# Altium PCB GPRS-ADM2483-V1.0_______中科院TF卡.PcbDoc (part 2 of 3)
Units mm, origin at the board's own origin, x right, y up, seen from the top; angles counter-clockwise.
Board outline 138.3 x 139.73 mm, 2 copper layers (Top Layer, Bottom Layer); 324 components, 205 nets, 988 pads, 414 vias.
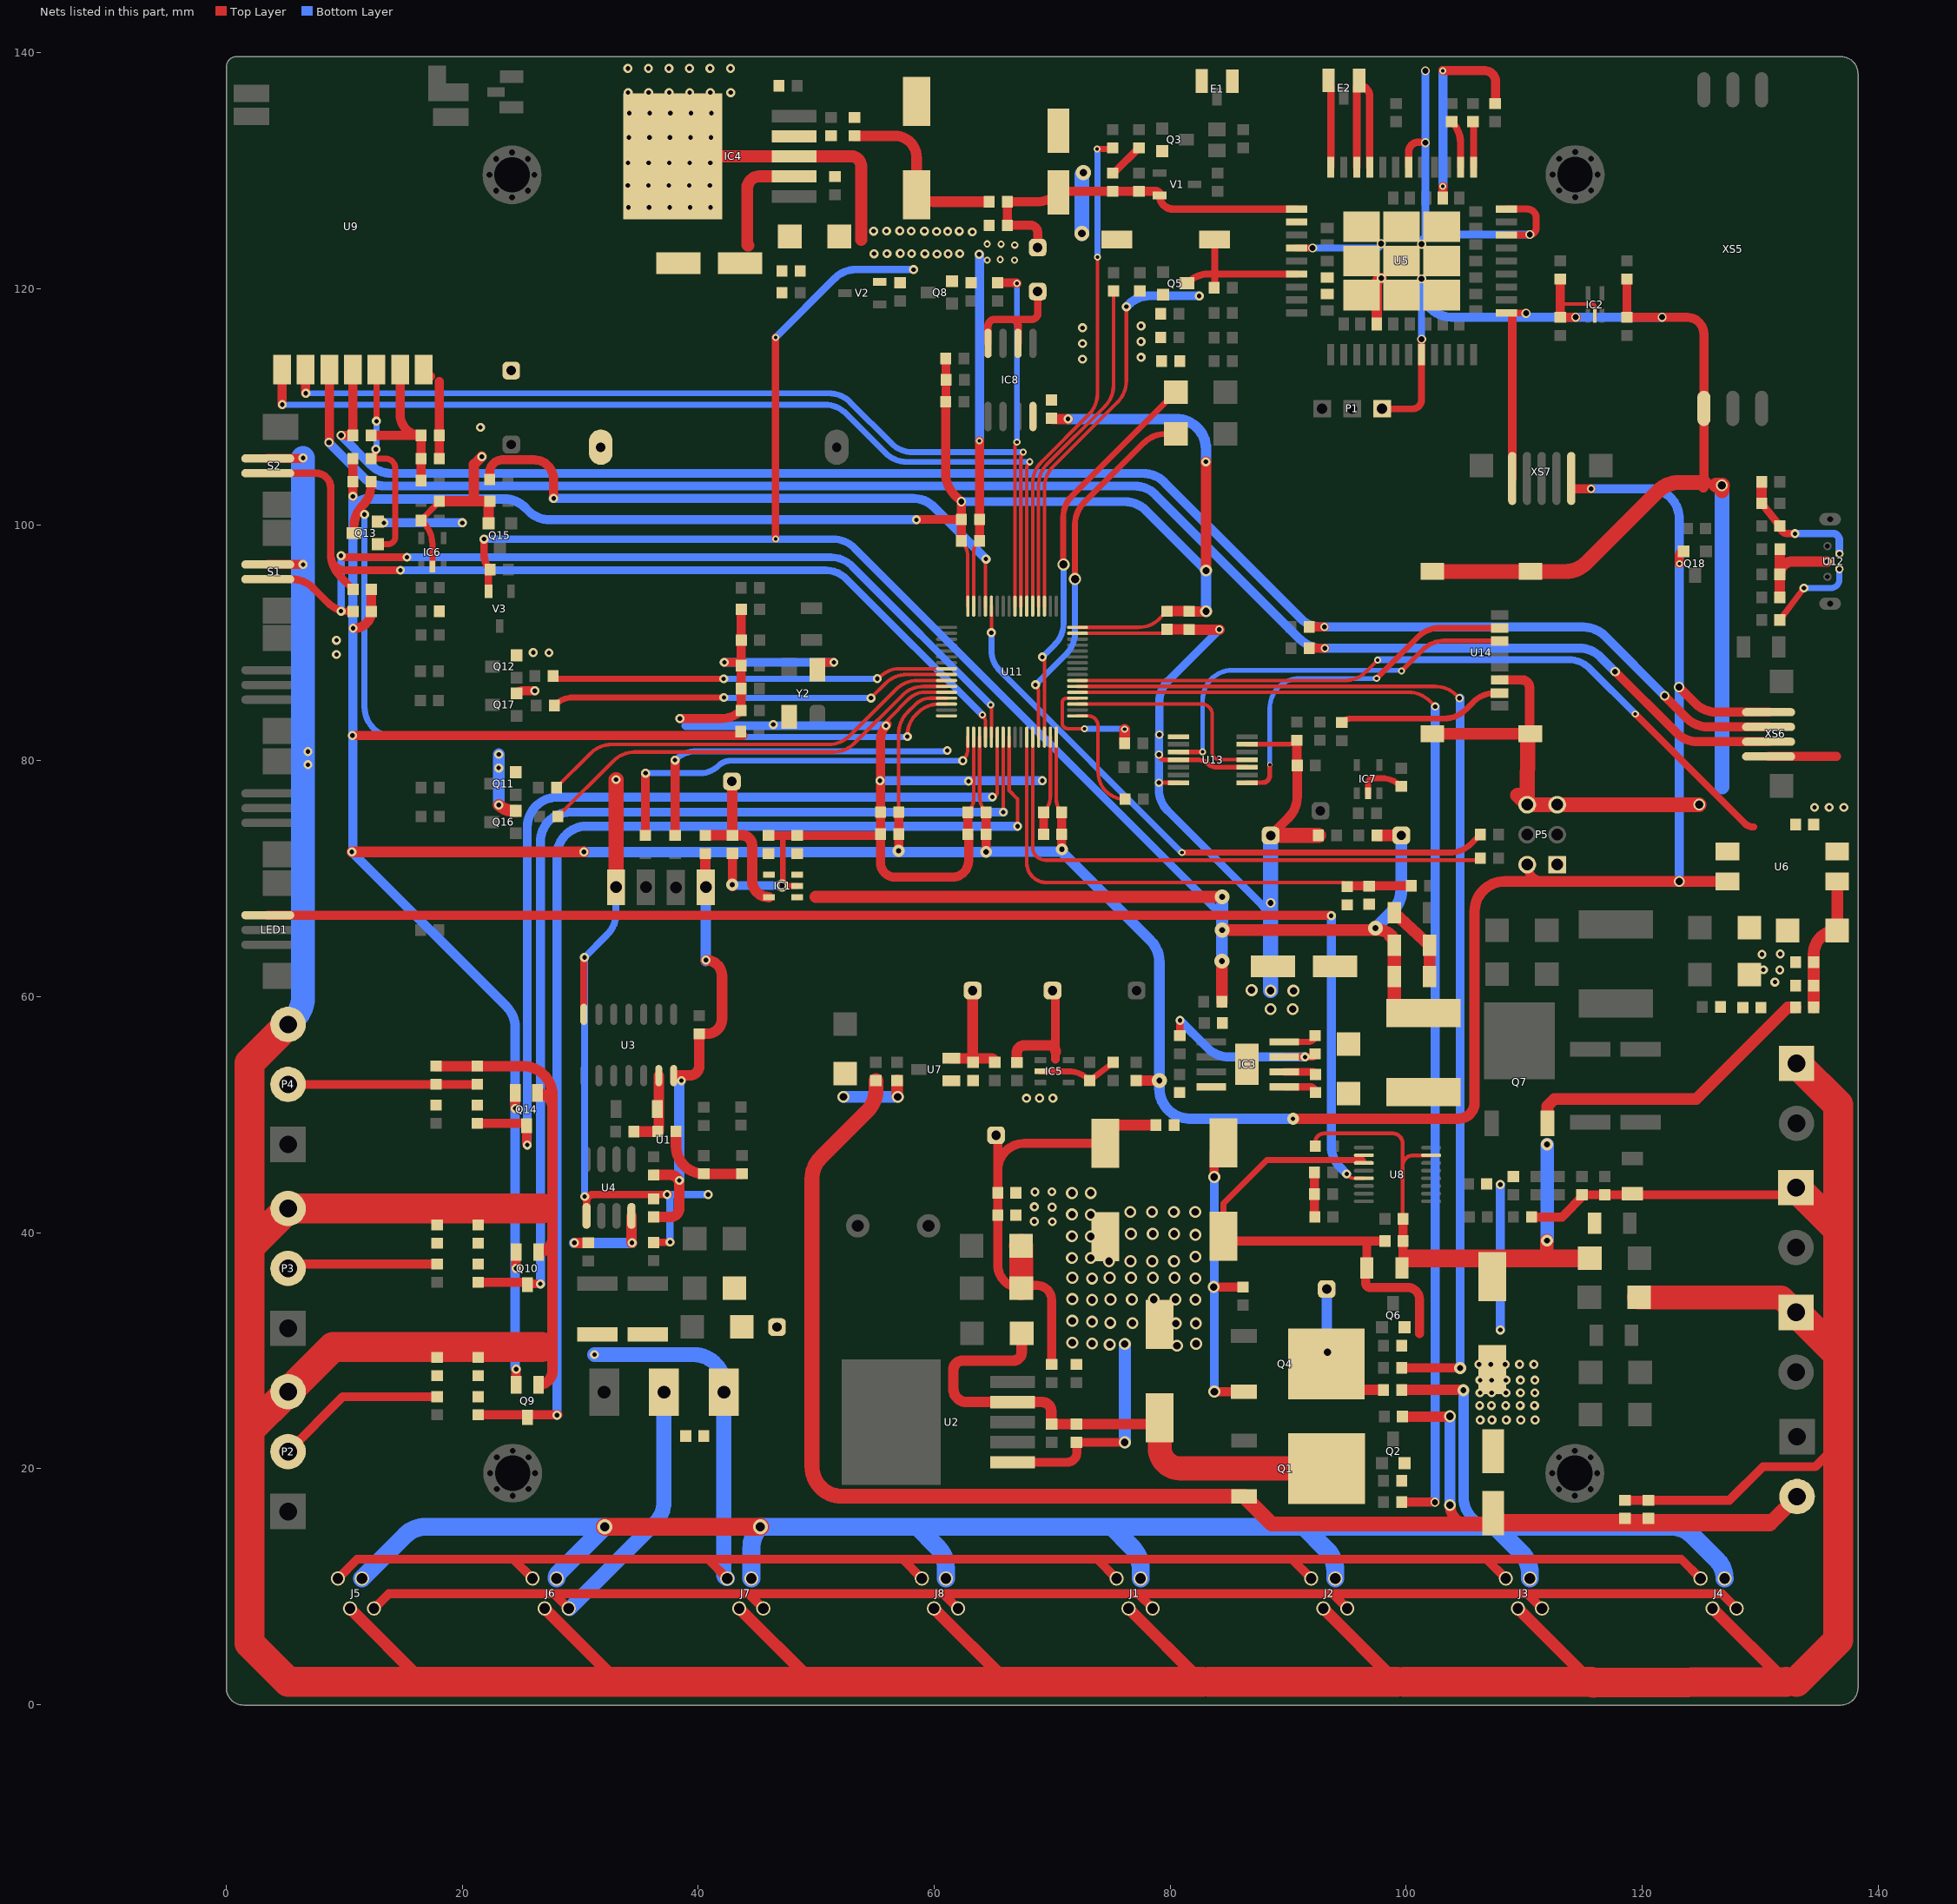
[diagram p2: the nets of this part, all layers, seen from the top]

## Via types
v1: diameter 0.762, hole 0.381, Top Layer to Bottom Layer, 221 vias
v2: diameter 1.016, hole 0.635, Top Layer to Bottom Layer, 61 vias
v3: diameter 0.6, hole 0.3, Top Layer to Bottom Layer, 41 vias
v4: diameter 0.762, hole 0.508, Top Layer to Bottom Layer, 21 vias
v5: diameter 3, hole 2.3, Top Layer to Bottom Layer, 16 vias
v6: diameter 0.7, hole 0.4, Top Layer to Bottom Layer, 15 vias
v7: diameter 1.27, hole 0.635, Top Layer to Bottom Layer, 7 vias
v8: diameter 1.27, hole 0.508, Top Layer to Bottom Layer, 5 vias
v9: diameter 1.016, hole 0.457, Top Layer to Bottom Layer, 5 vias
v10: diameter 1.016, hole 0.508, Top Layer to Bottom Layer, 4 vias
v11: diameter 0.8, hole 0.5, Top Layer to Bottom Layer, 4 vias
v12: diameter 1.27, hole 0.762, Top Layer to Bottom Layer, 2 vias
v13: diameter 0.762, hole 0.457, Top Layer to Bottom Layer, 2 vias
v14: diameter 0.9, hole 0.6, Top Layer to Bottom Layer, 2 vias
v15: diameter 1, hole 0.7, Top Layer to Bottom Layer, 2 vias
v16: diameter 1.021, hole 0.7, Top Layer to Bottom Layer, 2 vias
v17: diameter 1.016, hole 0.381, Top Layer to Bottom Layer, 1 vias
v18: diameter 1.016, hole 0.6, Top Layer to Bottom Layer, 1 vias
v19: diameter 1.012, hole 0.6, Top Layer to Bottom Layer, 1 vias
v20: diameter 0.4, hole 0.3, Top Layer to Bottom Layer, 1 vias

## Nets (pads, with @x,y where several pads share a name; then routed paths per layer and width w, separated by ;. In a path a pad name is that pad's centre, name@x,y a point inside that pad or via, vN(x,y) a via of type N, cw(c..) or ccw(c..) an arc to the next point about the centre after c; other vN are vias at no path point) (continued)
3.3V: C58.2 C59.1 C62.1 C66.2 C67.2 C73.2 C74.2 C75.1 C76.1 C77.1 C78.1 IC8.8 P5.1 P5.2 Q9.2 Q10.2 Q14.2 Q18.2 R34.1 R46.1 R64.2 R77.2 R78.2 R96.2 R97.2 R98.2 R108.1 U6.4 U11.13 U11.19 U11.32 U11.48 U11.64 XS6.1 XS7.5 | length 503
  Top Layer w0.305: C59.1@56.991,75.635 56.991,82.29 cw(c59.531,82.29) 57.735,84.086 58.428,84.779 cw(c59.672,83.535) 59.672,85.294 U11.13@61.049,85.294 ; C67.2@62.3,98.633 cw(c60.97,97.305) 62.849,97.305 U11.64@62.849,93.094 ; U11.19@63.849,81.994 63.849,76.953 ccw(c65.735,76.953) C74.2@64.401,75.619 ; U11.32@70.349,81.994 70.349,76.746 ccw(c71.951,76.746) C77.1@70.818,75.613 ; U11.48@72.149,91.294 77.31,91.294 ccw(c77.31,93.834) 79.106,92.038 C76.1@79.738,92.67
  Top Layer w0.762: v1(10.697,82.129) R108.1@43.775,82.129 ; v9@56.991,72.27 C59.1@56.991,75.635 ; v1@58.55,100.42 cw(c58.602,100.368) 58.602,100.441 C66.2@62.299,100.441 ; R98.2@60.972,110.416 60.972,104.335 ccw(c63.512,104.335) 61.716,102.539 v11(62.299,101.956) C66.2@62.299,100.441 ; R98.2@60.99,110.416 R96.2@60.99,114.084 ; C67.2@62.299,98.634 C66.2@62.299,100.441 ; v9(64.401,72.27) C74.2@64.401,75.619 ; v9@70.818,72.497 C78.1@70.818,73.756 C77.1@70.818,75.613 ; P5.2@110.262,71.184 ccw(c111.683,71.184) 111.683,69.763 ; 114.363,103.048 v6(115.674,103.048) ; v14(123.139,86.233) 124.52,84.852 ccw(c126.316,86.648) 126.316,84.108 XS6.1@130.724,84.108 ; v3(123.165,96.693) 123.165,97.384 cw(c123.52,97.384) Q18.2@123.52,97.739
  Top Layer w0.8: v1@10.728,102.403 R78.2@10.728,103.647 R77.2@10.728,105.6 ; v1(10.745,91.229) 10.876,91.229 ccw(c10.876,92.642) R34.1@12.29,92.642 R46.1@12.29,94.514 ; v1(24.486,50.524) Q14.2@24.486,51.832 ; Q9.2@24.564,27.112 v1(24.564,28.425) ; v1(24.564,36.962) Q10.2@24.564,38.348
  Top Layer w0.889: v1(10.648,72.266) v1(30.318,72.266) ; C58.2@69.934,109.026 ccw(c70.087,109.179) 70.087,108.963 v1(71.346,108.963) ; R64.2@77.126,52.887 v8(79.087,52.887) ; C76.1@79.738,92.67 81.569,92.67 cw(c81.569,92.607) C75.1@81.613,92.651 v18@83.122,92.651 ; v1(83.027,105.334) cw(c82.994,105.301) 83.041,105.301 v19(83.041,96.114) ; v17(90.419,49.655) 104.45,49.655 ccw(c104.45,51.009) 105.803,51.009 105.803,67.223 cw(c108.343,67.223) 108.343,69.763 111.683,69.763 v14(123.15,69.763) U6.4@127.239,69.763
  Bottom Layer w0.762: 25.34,101.439 25.62,101.159 ccw(c27.416,102.955) 27.416,100.415 v1(58.492,100.415) ; v11(62.299,101.956) 76.147,101.956 cw(c76.147,99.416) 77.943,101.212 v19(83.041,96.114) ; v6(115.674,103.048) 120.61,103.048 cw(c120.61,100.508) 123.133,100.805 cw(c120.61,100.508) 123.15,100.508 v14(123.15,69.763)
  Bottom Layer w0.8: v1(10.648,72.266) v1@10.728,72.187 ; v1(10.728,102.403) 10.728,100.979 ; v1(24.564,28.425) 24.486,28.503 v1(24.486,50.524) 24.486,57.377 ccw(c21.946,57.377) 23.742,59.173 v1@10.728,72.187 ; 25.34,101.439 ccw(c23.544,99.643) 23.544,102.183 11.932,102.183 ccw(c11.932,100.979) 10.728,100.979 ; v1@10.728,72.187 10.728,100.979
  Bottom Layer w0.889: v1(30.318,72.266) 56.989,72.261 v9@64.401,72.261 ; v9(64.401,72.27) 70.818,72.27 78.343,64.744 cw(c76.547,62.948) 79.087,62.948 v8(79.087,52.887) 79.087,52.195 ccw(c81.627,52.195) 81.627,49.655 v17(90.419,49.655) ; v1(71.346,108.963) 80.501,108.963 cw(c80.501,106.423) 83.041,106.423 83.041,105.334 v1(83.027,105.334) ; v18@83.033,92.67 v18(83.041,92.661) v19(83.041,96.114)
  other v9: 56.989,72.363 70.828,72.487
3V3: C55.1 C56.1 R76.2 R89.1 U9.6 | length 14.8
  Top Layer w0.762: R89.1@12.268,107.564 C55.1@16.51,107.564 ; U9.6@14.729,113.16 14.729,109.345 ccw(c16.51,109.345) C55.1@16.51,107.564 ; R76.2@16.51,103.647 C55.1@16.51,107.564
4V: 4V.1 C18.1 C19.2 R16.1 R53.2 R56.2 U5.34 U5.35 V1.2 | length 32.1
  Top Layer w0.635: V1.2@79.109,127.898 ccw(c80.255,127.898) 80.255,126.751 U5.34@90.717,126.751
  Top Layer w0.762: 4V.1@68.77,123.489 68.77,124.755 ccw(c68.128,124.755) 68.128,125.397 66.225,125.397 ccw(c66.225,125.366) R56.2@66.193,125.366 R53.2@66.193,127.373 68.702,127.373 ccw(c68.702,129.913) 70.498,128.117 C18.1@70.539,128.158 ; C18.1@70.281,128.261 77.357,128.261 R16.1@77.357,128.255 78.751,128.255 cw(c78.751,127.898) V1.2@79.109,127.898
12V: C26.1 IC3.8 Q4.3 R4.2 R33.1 R41.1 | length 26.4
  Top Layer w0.762: v2(83.688,35.392) R33.1@86.17,35.392 ; v2(83.734,44.714) 83.734,46.8 C26.1@84.529,47.596 ; v2(83.746,26.52) Q4.3@86.242,26.52
  Bottom Layer w0.762: v2(83.746,26.52) v2@83.746,44.714
12V_PWR: R11.1 U11.37 | length 101.1
  Top Layer w0.305: U11.37@72.149,85.794 100.2,85.794 cw(c100.2,83.254) 101.996,85.05 v6(102.464,84.582)
  Top Layer w0.762: R11.1@99.635,17.17 102.423,17.17 cw(c102.423,17.101) v4@102.472,17.15
  Bottom Layer w0.762: v4(102.442,17.153) 102.297,17.297 102.464,17.464 v6(102.464,84.582)
485_PWR_EN: R39.1 U11.38 | length 94.4
  Top Layer w0.305: U11.38@72.149,86.294 102.464,86.294 cw(c102.464,83.754) 104.26,85.55 v6(104.517,85.294)
  Top Layer w0.762: R39.1@99.635,28.54 v10@104.599,28.54
  Bottom Layer w0.762: v10(104.579,28.523) 104.579,74.625 v6@104.579,85.294
485RX: R3.1 U11.17 | length 34.6
  Top Layer w0.305: v1(62.425,79.999) ccw(c61.401,81.023) 62.849,81.023 U11.17@62.849,81.994
  Top Layer w0.762: R3.1@35.519,73.678 v1@35.519,78.942
  Bottom Layer w0.508: v1(35.546,78.942) 40.192,78.942 ccw(c40.192,81.111) 41.726,79.578 cw(c42.743,78.561) 42.743,79.999 v1(62.425,79.999) cw(c62.425,79.948) v1@62.461,79.984
485TX: R2.1 U11.16 | length 29.7
  Top Layer w0.762: R2.1@38.037,73.678 v1(38.037,80.043)
  Bottom Layer w0.508: v1(38.037,80.043) 38.052,80.058 cw(c39.848,78.262) 39.848,80.802 61.131,80.802 cw(c61.131,80.747) v1@61.17,80.785
  other v1: 61.111,80.861
+3.3V: C8.1 R1.2 R9.2 R21.1 R23.1 U1.1 U3.14 U4.8 | length 46.8
  Top Layer w0.889: v1@29.591,39.125 29.591,39.126 R21.1@30.679,39.126 ; U4.8@34.342,41.413 34.342,39.176 ccw(c34.387,39.176) v1(34.387,39.131) ; C8.1@36.217,41.325 37.664,41.325 ccw(c37.664,42.057) 38.396,42.057 38.396,44.126 ccw(c37.635,44.126) 37.635,44.888 36.217,44.888 R23.1@36.217,44.873 ; U3.14@38.186,53.32 39.27,53.32 ccw(c39.27,54.14) 40.091,54.14 R9.2@40.091,56.852 40.756,56.852 ccw(c40.756,58.113) 42.017,58.113 42.017,61.738 ccw(c40.658,61.738) v1(40.658,63.098) ; R1.2@40.606,72.125 40.606,69.311 ccw(c40.644,69.311) U1.1@40.644,69.273
  Bottom Layer w0.889: v1(29.5,39.131) v1(34.387,39.131) ; v1(38.403,44.422) v1@38.403,53.036 ; v1@40.644,63.022 U1.1@40.644,69.273
  other v1: 38.579,52.876
+5V: 5V.1 C1.2 C23.2 C24.2 C25.1 IC1.1 IC1.3 L3.2 R40.1 R57.1 R84.1 R100.1 V2.2 V3.2 | length 188
  Top Layer w0.635: v1(21.852,98.783) 21.852,97.438 ccw(c23.62,97.438) R84.1@22.369,96.188 ccw(c22.713,95.844) 22.227,95.844 V3.2@22.227,94.346 ; v3(46.558,98.783) v3(46.558,115.875)
  Top Layer w1.016: 49.93,68.454 v8(84.4,68.454) ; R40.1@84.389,59.558 v8(84.389,63.014) cw(c84.537,63.015) v8@84.432,63.119 ; v8(84.403,65.64) 97.677,65.64 cw(c97.677,64.157) C24.2@98.726,65.206 ; R100.1@97.599,73.66 99.586,73.66 5V.1@99.593,73.667
  Top Layer w1.143: C24.2@98.685,65.165 cw(c97.912,64.393) 99.005,64.393 L3.2@99.005,58.172
  Bottom Layer w0.635: v1(21.852,98.783) v3(46.558,98.783) 51.422,98.783 cw(c51.422,96.243) 53.218,98.039 83.659,67.598 cw(c81.863,65.802) 84.403,65.802 84.403,65.75 v8(84.403,65.64) ; v3(46.558,115.875) 51.56,120.877 cw(c53.357,119.081) 53.357,121.621 v1(58.252,121.621)
  Bottom Layer w1.016: v8(84.389,63.014) 84.389,65.715 cw(c84.439,65.715) v8@84.403,65.75 ; v8@84.403,65.802 v8@84.403,68.454 ; v8(97.408,65.807) 98.849,67.248 ccw(c97.053,69.044) 99.593,69.044 5V.1@99.593,73.667
+12V: J1.1 J2.1 J3.1 J4.1 J5.1 J6.1 J7.1 J8.1 R31.2 | length 171.4
  Top Layer w0.889: R31.2@99.635,26.667 104.838,26.667 cw(c104.838,26.645) v10(104.86,26.645)
  Top Layer w1.524: v12(32.084,15.063) v12(45.268,15.063)
  Bottom Layer w0.889: v10(104.86,26.645) 104.86,17.603 ccw(c107.4,17.603) 107.4,15.063 107.556,15.063
  Bottom Layer w1.524: J5.1@11.501,10.682 15.14,14.322 cw(c16.936,12.526) 16.936,15.066 v12@32.013,15.066 ; J6.1@28,10.682 cw(c28.716,10.682) 28.21,11.189 v12(32.084,15.063) ; J7.1@44.499,10.682 44.499,13.241 cw(c47.039,13.241) 45.243,15.037 v12(45.268,15.063) 58.551,15.063 ; J8.1@60.998,10.682 60.998,11.564 ccw(c58.458,11.564) 60.254,13.36 58.551,15.063 ; J1.1@77.497,10.682 77.497,11.549 ccw(c74.957,11.549) 76.753,13.345 75.036,15.063 ; J2.1@93.996,10.682 93.996,11.335 ccw(c91.456,11.335) 93.252,13.131 91.321,15.063 ; 107.4,15.063 91.321,15.063 ; J3.1@110.495,10.682 110.495,11.071 ccw(c107.955,11.071) 109.751,12.868 107.556,15.063 122.486,15.063 cw(c122.486,12.523) 124.282,14.319 126.341,12.26 ; 58.551,15.063 75.036,15.063 ; 75.036,15.063 91.321,15.063 ; 126.341,12.26 cw(c124.764,10.682) J4.1@126.995,10.682 ccw(c124.764,10.682) 126.341,12.26
+VOUT: C13.1 C14.2 C15.2 Q1.3 R6.2 R50.1 XS2.2 | length 159.7
  Top Layer w0.889: R6.2@99.687,24.402 v2@103.714,24.402 ; v2(103.714,16.901) ccw(c105.322,16.901) 105.322,15.292 105.66,15.292
  Top Layer w1.27: R50.1@55.06,52.887 55.06,52.075 cw(c52.52,52.075) 54.316,50.279 50.386,46.349 ccw(c52.182,44.553) 49.642,44.553 49.642,20.188 ccw(c52.182,20.188) 52.182,17.648 Q1.3@86.269,17.648 88.625,15.292 105.322,15.292 ; 105.66,15.292 130.809,15.292 131.017,15.5 ; C13.1@107.384,16.215 108.099,15.5 131.017,15.5 ; XS2.2@133.14,17.624 131.017,15.5
  Bottom Layer w0.889: v2(103.714,24.43) v2(103.714,16.901) ccw(c103.773,16.901) v2@103.731,16.858
A: F4.2 J1.3 J2.3 J3.3 J4.3 J5.3 J6.3 J7.3 J8.3 R5.2 U1.7 | length 159.8
  Top Layer w0.762: J5.3@9.461,10.682 11.098,12.32 24.322,12.32 ; J6.3@25.96,10.682 24.322,12.32 ; J7.3@42.459,10.682 40.821,12.32 ; J8.3@58.958,10.682 57.321,12.32 ; J1.3@75.457,10.682 73.82,12.32 ; J2.3@91.956,10.682 90.319,12.32 ; J3.3@108.455,10.682 106.818,12.32 ; J4.3@124.955,10.682 123.317,12.32 106.818,12.32 ; 24.322,12.32 40.821,12.32 ; 40.821,12.32 57.321,12.32 ; 57.321,12.32 73.82,12.32 ; 73.82,12.32 90.319,12.32 ; 90.319,12.32 106.818,12.32
  Bottom Layer w1.27: v1(31.209,29.654) 39.634,29.654 cw(c39.634,27.114) 42.174,27.114 U1.7@42.174,26.473 42.174,10.968 ccw(c42.459,10.968) J7.3@42.459,10.682
ANT_PWR_EN: R24.1 U11.53 | length 42.2
  Top Layer w0.305: U11.53@68.349,93.094 68.349,103.524 cw(c70.889,103.524) 69.093,105.32 73.09,109.317 ccw(c71.294,111.113) 73.834,111.113 v3@73.834,122.676
  Top Layer w0.508: v3(73.815,131.848) 74.911,131.848 ccw(c74.911,132.163) R24.1@75.134,131.94
  Bottom Layer w0.508: v3(73.834,122.676) v3@73.834,131.848
AUX: Q13.1 R77.1 U9.5 | length 17.7
  Top Layer w0.508: v1(12.681,106.387) cw(c11.778,106.387) 12.417,105.749 R77.1@12.268,105.6 13.483,105.6 cw(c13.483,104.755) 14.328,104.755 14.328,98.972 cw(c13.703,98.972) 13.703,98.347 Q13.1@12.853,98.347 ; v1(12.729,108.775) U9.5@12.729,113.16
  Bottom Layer w0.508: v1@12.729,106.586 v1(12.729,108.775)
B: F3.2 J1.2 J2.2 J3.2 J4.2 J5.2 J6.2 J7.2 J8.2 R5.1 U1.6 | length 148.7
  Top Layer w0.762: J5.2@12.521,8.142 13.769,9.391 27.776,9.391 ; J6.2@29.02,8.142 29.02,8.147 27.776,9.391 ; J7.2@45.519,8.142 44.27,9.391 ; J8.2@62.018,8.142 60.769,9.391 ; J1.2@78.517,8.142 78.517,8.164 77.29,9.391 ; J2.2@95.016,8.142 93.768,9.391 ; J3.2@111.515,8.142 110.267,9.391 ; J4.2@128.015,8.142 126.766,9.391 110.267,9.391 ; 27.776,9.391 44.27,9.391 ; 44.27,9.391 60.769,9.391 ; 60.769,9.391 77.29,9.391 ; 77.29,9.391 93.768,9.391 ; 93.768,9.391 110.267,9.391
  Bottom Layer w1.27: J6.2@29.091,8.128 36.35,15.386 ccw(c34.554,17.182) 36.967,16.39 ccw(c34.554,17.182) 37.094,17.182 U1.6@37.094,26.473
BAT_V: C54.2 R83.1 R87.2 U11.27 | length 44.4
  Top Layer w0.305: U11.27@67.849,81.994 67.849,71.324 ccw(c69.5,71.324) 69.5,69.674 94.662,69.674 cw(c94.662,69.325) C54.2@95.011,69.325
  Top Layer w0.762: C54.2@95.011,69.325 cw(c95.08,69.325) 95.08,69.395 R83.1@100.436,69.395
BOOT0: R116.2 U11.60 | length 53.3
  Top Layer w0.305: v1@64.849,90.844 U11.60@64.849,93.094
  Top Layer w0.508: v3(81.001,72.212) 103.718,72.212 ccw(c103.718,74.752) 105.514,72.956 R116.2@106.306,73.747
  Bottom Layer w0.508: v1(64.846,90.844) 64.846,89.393 ccw(c67.386,89.393) 65.59,87.597 80.957,72.23 ccw(c81.001,72.274) v3(81.001,72.212)
BOOT1: R115.1 U11.28 | length 48
  Top Layer w0.305: U11.28@68.349,81.994 68.349,72.666 ccw(c69.451,72.666) 69.451,71.564 106.139,71.564 ccw(c106.139,71.73) R115.1@106.306,71.73
CHG_IN: C33.1 C35.2 C36.1 C37.1 D8.2 F1.2 Q7.3 R32.2 R65.2 U8.15 | length 73.5
  Top Layer w0.33: C35.2@92.165,47.47 ccw(c92.302,47.47) C35.2@92.302,47.333 92.302,47.67 cw(c93.031,47.67) 93.031,48.399 98.879,48.399 cw(c98.879,47.58) 99.697,47.58 99.697,45.638 ; R65.2@99.75,41.166 cw(c99.75,41.219) 99.697,41.219 99.697,45.638 ; U8.15@102.123,46.549 100.608,46.549 ccw(c100.608,45.638) 99.697,45.638
  Top Layer w0.762: C37.1@99.65,36.991 ccw(c99.65,37.091) 99.75,37.091 R65.2@99.75,41.166
  Top Layer w1: Q7.3@111.979,49.26 111.979,50.736 112.567,51.324 124.597,51.324 132.352,59.079 R32.2@133.005,59.079
  Top Layer w1.143: v10(111.938,39.323) 111.938,37.933 ccw(c112.099,37.933) 111.985,37.819
  Top Layer w1.524: C37.1@100.13,37.819 107.296,37.819 111.985,37.819 D8.2@115.575,37.819
  Bottom Layer w1.143: v10(111.946,47.466) 111.946,39.357 v10@111.953,39.35
CS: R113.2 U11.33 | length 9.8
  Top Layer w0.3: U11.33@72.149,83.794 73.051,83.794 cw(c73.051,82.957) 73.889,82.957 73.889,79.037 ccw(c76.192,79.037) R113.2@76.192,76.733
CS-CARD: U13.8 U14.2 | length 30.6
  Top Layer w0.4: U13.8@86.512,78.136 87.839,78.136 ccw(c87.839,78.74) 88.443,78.74 v20(88.443,79.657)
  Top Layer w0.5: v3(97.493,86.97) 101.029,90.506 cw(c102.825,88.709) 102.825,91.249 U14.2@107.932,91.249
  Bottom Layer w0.4: v20(88.443,79.657) 88.443,84.43 cw(c90.983,84.43) 90.983,86.97 v3(97.493,86.97)
D0: R110.2 U14.7 | length 14.1
  Top Layer w0.5: R110.2@94.54,83.245 cw(c95.33,82.453) 95.33,83.571 103.249,83.571 ccw(c103.249,86.111) 105.045,84.315 105.71,84.981 cw(c107.506,83.185) 107.506,85.725 U14.7@107.925,85.725
D+: D26.A R104.1 R111.1 U12.3 | length 8.7
  Top Layer w0.889: R104.1@131.676,93.827 131.68,93.827 R111.1@131.68,95.868 ; D26.A@131.68,97.913 R111.1@131.68,95.868 ; U12.3@135.72,96.886 132.782,96.886 ccw(c132.782,95.781) R111.1@131.68,95.868
D-: R103.1 U12.2 | length 7.7
  Top Layer w0.508: R103.1@131.676,91.918 v1(133.711,94.625)
  Bottom Layer w0.508: v1(133.711,94.625) 135.997,94.625 ccw(c135.997,95.348) 136.71,95.229 ccw(c135.997,95.348) 136.72,95.348 U12.2@136.72,96.236
DI: U13.3 U14.3 | length 34
  Top Layer w0.4: U13.3@80.721,80.736 v3(82.753,80.736) ; v3(99.617,87.605) 101.418,89.406 cw(c103.214,87.61) 103.214,90.15 U14.3@107.932,90.15
  Bottom Layer w0.4: v3(82.753,80.736) 82.753,85.129 cw(c85.293,85.129) 85.293,87.669 99.46,87.669 cw(c99.46,87.448) v3(99.617,87.605)
END_CHG: LED1.1 U8.5 | length 114
  Top Layer w0.305: v1@94.932,44.906 ccw(c95.675,45.649) 95.675,44.599 U8.5@96.423,44.599
  Top Layer w0.762: LED1.1@3.516,66.9 v1@93.597,66.9
  Bottom Layer w0.762: v1@93.659,66.862 93.659,47.33 ccw(c96.199,47.33) 94.403,45.534 v1(94.966,44.971)
  other v1: 93.659,66.862
EX_POW: R42.2 U6.3 U11.39 | length 63.6
  Top Layer w0.305: U11.39@72.149,86.794 94.81,86.794 ccw(c94.81,89.334) 96.606,87.538 v3(97.587,88.519)
  Top Layer w0.6: v3(119.431,83.947) 128.683,74.694 ccw(c129.464,75.475) 129.464,74.371
  Bottom Layer w0.6: v3@97.587,88.562 113.763,88.562 cw(c113.763,86.022) 115.559,87.818 v3(119.431,83.947)
GND: C1.1 C2.1 C3.1 C4.2 C5.2 C6.1 C7.1 C8.2 C9.2 C10.1 C11.1 C12.2 C13.2 C14.1 C15.1 C16.2 C17.1 C18.2 C19.1 C20.2 C22.1 C23.1 C24.1 C25.2 C26.2 C27.2 C28.1 C29.2 C30.1 C31.1 C32.1 C33.2 C34.2 C36.2 C37.2 C38.2 C39.1 C40.1 C42.1 C43.1 C44.1 C45.1 C46.1 C47.1 C48.1 C49.2 C50.1 C51.1 C52.1 C53.1 C54.1 C55.2 C56.2 C57.1 C58.1 C59.2 C60.2 C61.1 C62.2 C63.1 C64.2 C65.2 C66.1 C67.1 C68.2 C69.2 C70.2 C71.2 C72.1 C73.1 C74.1 C75.2 C76.2 C77.2 C78.2 D4.1 D11.K D12.K D16.K D17.K D18.1 D19.1 D20.1 D21.1 D23.1 D25.1 E1.1 E1.3 E2.1 E2.3 GND1.1 GND2.1 GND3.1 GND4.1 IC1.2 IC2.2 IC3.4 IC3.9 IC4.0 IC4.3 IC5.2 IC6.2 IC7.2 IC8.2 IC8.4 J1.4 J2.4 J3.4 J4.4 J5.4 J6.4 J7.4 J8.4 P1.1 P2.3 P3.3 P4.3 P5.5 P5.6 Q2.2 Q3.2 Q5.2 Q6.2 Q8.2 Q9.1 Q10.1 Q11.2 Q12.2 Q13.2 Q14.1 Q15.2 Q16.2 Q17.2 R10.1 R14.1 R19.1 R20.2 R22.1 R35.2 R38.1 R42.1 R43.2 R44.1 R56.1 R58.1 R60.1 R62.1 R63.1 R67.1 R70.1 R81.1 R87.1 R94.1 R95.1 R114.1 R117.2 S1.1 S2.1 S3.1 U1.4 U2.1 U3.7 U4.5 U5.8 U5.13 U5.19 U5.21 U5.27 U5.30 U5.31 U5.33 U5.37 U5.45 U5.66 U5.67 U5.69 U5.70 U5.71 U5.72 U5.73 U5.74 U5.75 U5.76 U5.77 U6.2 U7.1 U8.2 U8.3 U9.7 U10.2 U11.12 U11.18 U11.31 U11.47 U11.63 U12.4 U13.1 U13.4 U13.7 U13.10 U13.13 U14.6 U14.9 U14.10 U14.11 U14.12 XS1.1 XS3.1 XS4.1 XS5.4 XS6.4 XS7.1 Y2.2 Y2.4 | length 1286